# KiCad board pbx-sniffer-v2.kicad_pcb (continued)
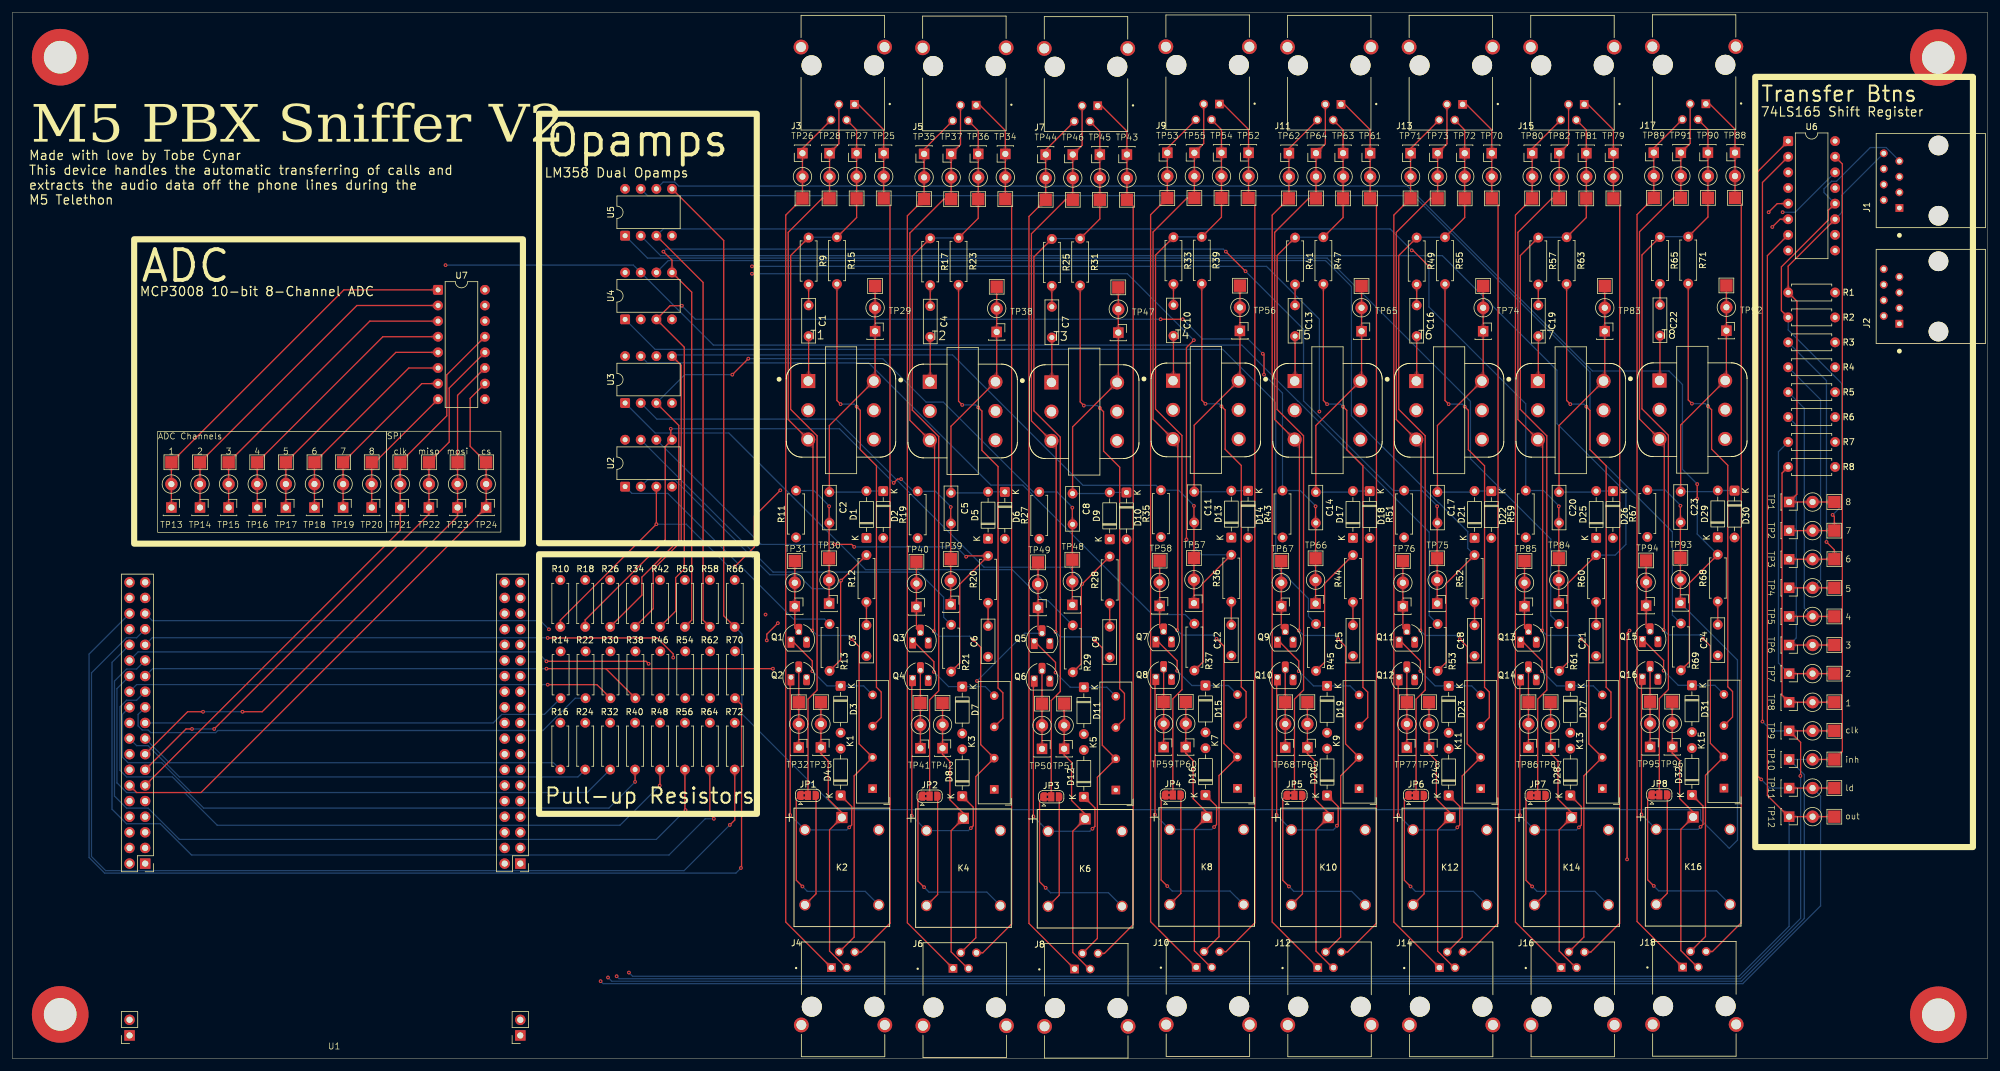
[diagram p0: board, top side]
## Routing (per net, layer and track width the routed paths; a pad name or vN(x,y) marks a point on that pad's centre or on a via; arc(x,y) is an arc through that point) (continued)
Net-(D10-K): length 45.4
  Top w0.2: TP47.1 TP47.1 179.73,110.13 T3.4 172.3,102.7 C8.1
  Bottom w0.2: C8.1 178.14,91.87 D9.2 181.03,92.05
Net-(D11-K): length 17.9
  Top w0.2: Q5.1 169.53,64.42 v1(169.53,62.78)
  Bottom w0.2: K5.7 177.85,60.39 D11.1 171.92,60.39 v1(169.53,62.78)
Net-(D12-K): length 39.3
  Top w0.2: Q6.1 165.93,61.64 v1(165.93,39.38) ; v1(175.53,37.38) 175.93,37.78 175.93,40.77 D12.1
  Bottom w0.2: v1(165.93,39.38) K6.2 175.13,36.98 v1(175.53,37.38)
Net-(D13-A): length 45.4
  Top w0.2: C11.1 192.06,102.98 T4.4 199.49,110.41 TP56.1 TP56.1
  Bottom w0.2: 200.79,92.33 D13.2 197.9,92.15 C11.1
Net-(D15-K): length 17.9
  Top w0.2: v1(189.29,63.06) 189.29,64.7 Q7.1
  Bottom w0.2: v1(189.29,63.06) 191.68,60.67 D15.1 197.62,60.67 K7.7
Net-(D16-K): length 39.3
  Top w0.2: Q8.1 185.69,61.93 v1(185.69,39.66) ; D16.1 195.69,41.05 195.69,38.06 v1(195.29,37.66)
  Bottom w0.2: v1(185.69,39.66) K8.2 194.89,37.26 v1(195.29,37.66)
Net-(D17-A): length 45.4
  Top w0.2: C14.1 211.82,102.93 T5.4 219.25,110.36 TP65.1 TP65.1
  Bottom w0.2: 220.56,92.28 D17.2 217.67,92.09 C14.1
Net-(D19-K): length 17.9
  Top w0.2: Q9.1 209.05,64.64 v1(209.05,63)
  Bottom w0.2: K9.7 217.38,60.61 D19.1 211.44,60.61 v1(209.05,63)
Net-(D20-K): length 39.4
  Top w0.2: v1(205.45,39.6) 205.45,61.87 Q10.1 ; v1(215.25,37.87) 215.33,37.87 215.45,38 215.45,40.99 D20.1
  Bottom w0.2: v1(205.45,39.6) K10.2 214.65,37.2 215.25,37.8 v1(215.25,37.87)
Net-(D21-A): length 45.4
  Top w0.2: C17.1 231.58,102.93 T6.4 239.01,110.36 TP74.1 TP74.1
  Bottom w0.2: 240.32,92.28 D21.2 237.43,92.09 C17.1
Net-(D23-K): length 17.9
  Top w0.2: Q11.1 228.81,64.64 v1(228.81,63)
  Bottom w0.2: K11.7 237.14,60.61 D23.1 231.2,60.61 v1(228.81,63)
Net-(D24-K): length 39.3
  Top w0.2: v1(234.81,37.6) 235.21,38 235.21,40.99 D24.1 ; Q12.1 225.21,61.87 v1(225.21,39.6)
  Bottom w0.2: v1(225.21,39.6) K12.2 234.41,37.2 v1(234.81,37.6)
Net-(D25-A): length 45.4
  Top w0.2: C20.1 251.35,102.93 T7.4 258.78,110.36 TP83.1 TP83.1
  Bottom w0.2: C20.1 257.19,92.09 D25.2 260.08,92.28
Net-(D27-K): length 17.9
  Top w0.2: v1(248.58,63) 248.58,64.64 Q13.1
  Bottom w0.2: v1(248.58,63) 250.97,60.61 D27.1 256.9,60.61 K13.7
Net-(D28-K): length 39.3
  Top w0.2: D28.1 254.98,40.99 254.98,38 v1(254.58,37.6) ; v1(244.98,39.6) 244.98,61.87 Q14.1
  Bottom w0.2: v1(244.98,39.6) K14.2 254.18,37.2 v1(254.58,37.6)
Net-(D29-A): length 45.4
  Top w0.2: C23.1 271.11,103.01 T8.4 278.54,110.44 TP92.1 TP92.1
  Bottom w0.2: C23.1 276.95,92.18 D29.2 279.85,92.36
Net-(D31-K): length 17.9
  Top w0.2: v1(268.34,63.09) 268.34,64.73 Q15.1
  Bottom w0.2: K15.7 276.67,60.7 D31.1 270.73,60.7 v1(268.34,63.09)
Net-(D32-K): length 39.3
  Top w0.2: D32.1 274.74,41.08 274.74,38.09 v1(274.34,37.69) ; Q16.1 264.74,61.96 v1(264.74,39.69)
  Bottom w0.2: v1(274.34,37.69) 273.94,37.29 K16.2 v1(264.74,39.69)
Net-(J3-Pad1): length 142.1
  Top w0.2: 142.62,138.83 142.62,22.02 137.94,17.34 J4.4 ; J3.1 137.47,155.13 141.6,151 TP25.1
Net-(J3-Pad4): length 143.9
  Top w0.2: J3.4 128.4,147.94 TP26.1 TP26.1 125.68,137.13 125.68,22.21 J4.1
Net-(J4-Pad3): length 46.6
  Top w0.2: J4.3 135.49,14.8 132.8,17.49 132.8,37.2 K2.1 134.8,39.99 134,40.79 134,40.8 132.6,42.2 132.6,48.4 131.4,49.6 TP33.1 TP33.1
Net-(J5-Pad1): length 142.1
  Top w0.2: J5.1 157.23,155.01 161.36,150.88 TP34.1 ; 162.39,138.71 162.39,21.9 157.7,17.22 J6.4
Net-(J5-Pad4): length 143.9
  Top w0.2: J6.1 145.44,22.09 145.44,137.01 TP35.1 TP35.1 148.16,147.82 J5.4
Net-(J6-Pad3): length 46.6
  Top w0.2: TP42.1 TP42.1 151.16,49.48 152.36,48.28 152.36,42.08 153.76,40.68 153.76,40.67 154.56,39.87 K4.1 152.56,37.08 152.56,17.37 155.25,14.68 J6.3
Net-(J7-Pad1): length 142.1
  Top w0.2: TP43.1 181.13,150.78 176.99,154.91 J7.1 ; 182.15,138.6 182.15,21.8 177.47,17.12 J8.4
Net-(J7-Pad4): length 143.9
  Top w0.2: J8.1 165.21,21.99 165.21,136.91 TP44.1 TP44.1 167.93,147.72 J7.4
Net-(J8-Pad3): length 46.6
  Top w0.2: J8.3 175.02,14.58 172.33,17.27 172.33,36.98 K6.1 174.33,39.76 173.53,40.56 173.53,40.58 172.13,41.98 172.13,48.18 170.93,49.38 TP51.1 TP51.1
Net-(J10-Pad1): length 143.9
  Top w0.2: J10.1 184.97,22.27 184.97,137.19 TP53.1 TP53.1 187.69,148 J9.4
Net-(J10-Pad3): length 46.6
  Top w0.2: J10.3 194.78,14.86 192.09,17.55 192.09,37.26 K8.1 194.09,40.05 193.29,40.85 193.29,40.86 191.89,42.26 191.89,48.46 190.69,49.66 TP60.1 TP60.1
Net-(J10-Pad4): length 142.1
  Top w0.2: 201.91,138.88 201.91,22.08 197.23,17.4 J10.4 ; J9.1 196.76,155.19 200.89,151.06 TP52.1
Net-(J11-Pad1): length 142.1
  Top w0.2: TP61.1 220.65,151 216.52,155.13 J11.1 ; 221.67,138.83 221.67,22.02 216.99,17.34 J12.4
Net-(J11-Pad4): length 143.9
  Top w0.2: J12.1 204.73,22.21 204.73,137.13 TP62.1 TP62.1 207.45,147.94 J11.4
Net-(J12-Pad3): length 46.6
  Top w0.2: J12.3 214.54,14.8 211.85,17.49 211.85,37.2 K10.1 213.85,39.99 213.05,40.79 213.05,40.8 211.65,42.2 211.65,48.4 210.45,49.6 TP69.1 TP69.1
Net-(J13-Pad1): length 142.1
  Top w0.2: 241.44,138.83 241.44,22.02 236.75,17.34 J14.4 ; J13.1 236.28,155.13 240.41,151 TP70.1
Net-(J13-Pad4): length 143.9
  Top w0.2: J14.1 224.5,22.21 224.5,137.13 TP71.1 TP71.1 227.21,147.94 J13.4
Net-(J14-Pad3): length 46.6
  Top w0.2: J14.3 234.31,14.8 231.61,17.49 231.61,37.2 K12.1 233.61,39.99 232.81,40.79 232.81,40.8 231.41,42.2 231.41,48.4 230.21,49.6 TP78.1 TP78.1
Net-(J15-Pad1): length 142.1
  Top w0.2: TP79.1 260.18,151 256.04,155.13 J15.1 ; 261.2,138.83 261.2,22.02 256.52,17.34 J16.4
Net-(J15-Pad4): length 143.9
  Top w0.2: J15.4 246.98,147.94 TP80.1 TP80.1 244.26,137.13 244.26,22.21 J16.1
Net-(J16-Pad3): length 46.6
  Top w0.2: TP87.1 TP87.1 249.98,49.6 251.18,48.4 251.18,42.2 252.58,40.8 252.58,40.79 253.38,39.99 K14.1 251.38,37.2 251.38,17.49 254.07,14.8 J16.3
Net-(J17-Pad1): length 142.1
  Top w0.2: 280.96,138.91 280.96,22.11 276.28,17.43 J18.4 ; TP88.1 279.94,151.09 275.81,155.22 J17.1
Net-(J17-Pad4): length 143.9
  Top w0.2: J17.4 266.74,148.03 TP89.1 TP89.1 264.02,137.22 264.02,22.3 J18.1
Net-(J18-Pad3): length 46.6
  Top w0.2: J18.3 273.83,14.89 271.14,17.58 271.14,37.29 K16.1 273.14,40.08 272.34,40.88 272.34,40.89 270.94,42.29 270.94,48.49 269.74,49.69 TP96.1 TP96.1
Net-(JP1-A): length 29.1
  Top w0.2: v1(128.4,28) 127.4,29 127.4,42.2 JP1.1
  Bottom w0.2: K2.4 138.6,27.2 129.2,27.2 v1(128.4,28)
Net-(JP1-B): length 18.5
  Top w0.2: K2.3 130.6,26.8 JP1.3
Net-(JP1-C): length 120
  Top w0.2: JP1.2 129.3,58.45 130.78,59.92 130.78,101.26 126.48,105.55 126.48,130.56 R9.1 129.46,133.54 ; R15.1 137.2,136.74 TP27.1 TP27.1 137.2,150.98 J3.2
  Bottom w0.2: R15.1 129.46,133.54 R9.1
Net-(JP2-A): length 29.1
  Top w0.2: v1(148.16,27.88) 147.16,28.88 147.16,42.08 JP2.1
  Bottom w0.2: v1(148.16,27.88) 148.96,27.08 158.36,27.08 K4.4
Net-(JP2-B): length 18.5
  Top w0.2: K4.3 150.36,26.68 JP2.3
Net-(JP2-C): length 120
  Top w0.2: JP2.2 149.06,58.33 150.54,59.8 150.54,101.13 146.24,105.43 146.24,130.44 R17.1 149.22,133.42 ; J5.2 156.96,150.86 TP36.1 TP36.1 156.96,136.62 R23.1
  Bottom w0.2: R17.1 149.22,133.42 R23.1
Net-(JP3-A): length 29.1
  Top w0.2: JP3.1 166.93,41.98 166.93,28.78 v1(167.93,27.78)
  Bottom w0.2: v1(167.93,27.78) 168.73,26.98 178.13,26.98 K6.4
Net-(JP3-B): length 18.5
  Top w0.2: JP3.3 170.13,26.58 K6.3
Net-(JP3-C): length 120
  Top w0.2: R31.1 176.73,136.51 TP45.1 TP45.1 176.73,150.75 J7.2 ; 168.99,133.31 R25.1 166.01,130.34 166.01,105.32 170.3,101.03 170.3,59.7 168.83,58.23 JP3.2
  Bottom w0.2: R31.1 168.99,133.31 R25.1
Net-(JP4-A): length 29.1
  Top w0.2: JP4.1 186.69,42.26 186.69,29.06 v1(187.69,28.06)
  Bottom w0.2: K8.4 197.89,27.26 188.49,27.26 v1(187.69,28.06)
Net-(JP4-B): length 18.5
  Top w0.2: K8.3 189.89,26.86 JP4.3
Net-(JP4-C): length 120
  Top w0.2: 188.75,133.59 R33.1 185.77,130.62 185.77,105.61 190.06,101.31 190.06,59.98 188.59,58.51 JP4.2 ; J9.2 196.49,151.03 TP54.1 TP54.1 196.49,136.79 R39.1
  Bottom w0.2: R39.1 188.75,133.59 R33.1
Net-(JP5-A): length 29.1
  Top w0.2: JP5.1 206.45,42.2 206.45,29 v1(207.45,28)
  Bottom w0.2: v1(207.45,28) 208.25,27.2 217.65,27.2 K10.4
Net-(JP5-B): length 18.5
  Top w0.2: K10.3 209.65,26.8 JP5.3
Net-(JP5-C): length 120
  Top w0.2: 208.51,133.54 R41.1 205.53,130.56 205.53,105.55 209.83,101.26 209.83,59.92 208.35,58.45 JP5.2 ; J11.2 216.25,150.98 TP63.1 TP63.1 216.25,136.74 R47.1
  Bottom w0.2: R41.1 208.51,133.54 R47.1
Net-(JP6-A): length 29.1
  Top w0.2: JP6.1 226.21,42.2 226.21,29 v1(227.21,28)
  Bottom w0.2: v1(227.21,28) 228.01,27.2 237.41,27.2 K12.4
Net-(JP6-B): length 18.5
  Top w0.2: JP6.3 229.41,26.8 K12.3
Net-(JP6-C): length 120
  Top w0.2: R55.1 236.01,136.74 TP72.1 TP72.1 236.01,150.98 J13.2 ; JP6.2 228.11,58.45 229.59,59.92 229.59,101.26 225.3,105.55 225.3,130.56 R49.1 228.27,133.54
  Bottom w0.2: R55.1 228.27,133.54 R49.1
Net-(JP7-A): length 29.1
  Top w0.2: JP7.1 245.98,42.2 245.98,29 v1(246.98,28)
  Bottom w0.2: v1(246.98,28) 247.78,27.2 257.18,27.2 K14.4
Net-(JP7-B): length 18.5
  Top w0.2: K14.3 249.18,26.8 JP7.3
Net-(JP7-C): length 120
  Top w0.2: JP7.2 247.88,58.45 249.35,59.92 249.35,101.26 245.06,105.55 245.06,130.56 R57.1 248.04,133.54 ; R63.1 255.78,136.74 TP81.1 TP81.1 255.78,150.98 J15.2
  Bottom w0.2: R57.1 248.04,133.54 R63.1
Net-(JP8-A): length 29.1
  Top w0.2: v1(266.74,28.09) 265.74,29.09 265.74,42.29 JP8.1
  Bottom w0.2: K16.4 276.94,27.29 267.54,27.29 v1(266.74,28.09)
Net-(JP8-B): length 18.5
  Top w0.2: JP8.3 268.94,26.89 K16.3
Net-(JP8-C): length 120
  Top w0.2: JP8.2 267.64,58.54 269.11,60.01 269.11,101.34 264.82,105.64 264.82,130.65 R65.1 267.8,133.62 ; J17.2 275.54,151.06 TP90.1 TP90.1 275.54,136.82 R71.1
  Bottom w0.2: R65.1 267.8,133.62 R71.1
Net-(K1-Pad5): length 76.7
  Top w0.2: K1.5 141.2,55.46 141.2,59.6 140.42,60.38 140.42,96.38 137.8,99 137.8,105.4 v1(137.2,106) ; R15.2 134,107 v1(134.6,106.4)
  Bottom w0.2: v1(134.6,106.4) 136.8,106.4 v1(137.2,106)
Net-(K3-Pad5): length 76.7
  Top w0.2: v1(156.96,105.88) 157.56,105.28 157.56,98.88 160.19,96.26 160.19,60.26 160.96,59.48 160.96,55.34 K3.5 ; v1(154.36,106.28) 153.76,106.88 R23.2
  Bottom w0.2: v1(154.36,106.28) 156.56,106.28 v1(156.96,105.88)
Net-(K5-Pad5): length 76.7
  Top w0.2: v1(174.13,106.18) 173.53,106.78 R31.2 ; K5.5 180.73,55.23 180.73,59.38 179.95,60.15 179.95,96.15 177.33,98.78 177.33,105.18 v1(176.73,105.78)
  Bottom w0.2: v1(174.13,106.18) 176.33,106.18 v1(176.73,105.78)
Net-(K7-Pad5): length 76.7
  Top w0.2: v1(196.49,106.06) 197.09,105.46 197.09,99.06 199.71,96.43 199.71,60.43 200.49,59.66 200.49,55.51 K7.5 ; R39.2 193.29,107.06 v1(193.89,106.46)
  Bottom w0.2: v1(193.89,106.46) 196.09,106.46 v1(196.49,106.06)
Net-(K9-Pad5): length 76.7
  Top w0.2: v1(213.65,106.4) 213.05,107 R47.2 ; v1(216.25,106) 216.85,105.4 216.85,99 219.47,96.38 219.47,60.38 220.25,59.6 220.25,55.46 K9.5
  Bottom w0.2: v1(216.25,106) 215.85,106.4 v1(213.65,106.4)
Net-(K11-Pad5): length 76.7
  Top w0.2: K11.5 240.01,55.46 240.01,59.6 239.24,60.38 239.24,96.38 236.61,99 236.61,105.4 v1(236.01,106) ; R55.2 232.81,107 v1(233.41,106.4)
  Bottom w0.2: v1(233.41,106.4) 235.61,106.4 v1(236.01,106)
Net-(K13-Pad5): length 76.7
  Top w0.2: K13.5 259.78,55.46 259.78,59.6 259,60.38 259,96.38 256.38,99 256.38,105.4 v1(255.78,106) ; v1(253.18,106.4) 252.58,107 R63.2
  Bottom w0.2: v1(253.18,106.4) 255.38,106.4 v1(255.78,106)
Net-(K15-Pad5): length 76.7
  Top w0.2: K15.5 279.54,55.54 279.54,59.69 278.76,60.46 278.76,96.46 276.14,99.09 276.14,105.49 v1(275.54,106.09) ; R71.2 272.34,107.09 v1(272.94,106.49)
  Bottom w0.2: v1(272.94,106.49) 275.14,106.49 v1(275.54,106.09)
Net-(T1-AA): length 7.3
  Top w0.2: T1.1 129.4,110.23 C1.2
Net-(T1-AB): length 152.9
  Top w0.2: v1(130,69.6) 130.11,69.71 130.11,99.88 T1.2 126.08,103.91 126.08,134.33 131.6,139.85 TP28.1 TP28.1 134.32,148.72 J3.3 ; v1(136.4,68.2) 137.6,67 137.6,51.18 K1.3 136.8,45.98 136.8,19.77 J4.2
  Bottom w0.2: v1(130,69.6) 130.8,68.8 135.8,68.8 v1(136.4,68.2)
Net-(T2-AA): length 7.3
  Top w0.2: T2.1 149.16,110.1 C4.2
Net-(T2-AB): length 152.9
  Top w0.2: J6.2 156.56,19.65 156.56,45.86 K3.3 157.36,51.06 157.36,66.88 v1(156.16,68.08) ; J5.3 154.08,148.6 TP37.1 TP37.1 151.36,139.73 145.84,134.21 145.84,103.79 T2.2 149.87,99.76 149.87,69.58 v1(149.76,69.48)
  Bottom w0.2: v1(149.76,69.48) 150.56,68.68 155.56,68.68 v1(156.16,68.08)
Net-(T3-AA): length 7.3
  Top w0.2: T3.1 168.93,110 C7.2
Net-(T3-AB): length 152.9
  Top w0.2: v1(169.53,69.38) 169.63,69.48 169.63,99.66 T3.2 165.61,103.68 165.61,134.11 171.13,139.63 TP46.1 TP46.1 173.84,148.49 J7.3 ; J8.2 176.33,19.55 176.33,45.75 K5.3 177.13,50.95 177.13,66.78 v1(175.93,67.98)
  Bottom w0.2: v1(175.93,67.98) 175.33,68.58 170.33,68.58 v1(169.53,69.38)
Net-(T4-AA): length 7.3
  Top w0.2: C10.2 188.69,110.28 T4.1
Net-(T4-AB): length 152.9
  Top w0.2: v1(195.69,68.26) 196.89,67.06 196.89,51.23 K7.3 196.09,46.03 196.09,19.83 J10.2 ; J9.3 193.6,148.77 TP55.1 TP55.1 190.89,139.91 185.37,134.39 185.37,103.96 T4.2 189.39,99.94 189.39,69.76 v1(189.29,69.66)
  Bottom w0.2: v1(195.69,68.26) 195.09,68.86 190.09,68.86 v1(189.29,69.66)
Net-(T5-AA): length 7.3
  Top w0.2: T5.1 208.45,110.23 C13.2
Net-(T5-AB): length 152.9
  Top w0.2: J11.3 213.37,148.72 TP64.1 TP64.1 210.65,139.85 205.13,134.33 205.13,103.91 T5.2 209.16,99.88 209.16,69.71 v1(209.05,69.6) ; J12.2 215.85,19.77 215.85,45.98 K9.3 216.65,51.18 216.65,67 v1(215.45,68.2)
  Bottom w0.2: v1(215.45,68.2) 214.85,68.8 209.85,68.8 v1(209.05,69.6)
Net-(T6-AA): length 7.3
  Top w0.2: T6.1 228.21,110.23 C16.2
Net-(T6-AB): length 152.9
  Top w0.2: v1(228.81,69.6) 228.92,69.71 228.92,99.88 T6.2 224.9,103.91 224.9,134.33 230.41,139.85 TP73.1 TP73.1 233.13,148.72 J13.3 ; v1(235.21,68.2) 236.41,67 236.41,51.18 K11.3 235.61,45.98 235.61,19.77 J14.2
  Bottom w0.2: v1(235.21,68.2) 234.61,68.8 229.61,68.8 v1(228.81,69.6)
Net-(T7-AA): length 7.3
  Top w0.2: C19.2 247.98,110.23 T7.1
Net-(T7-AB): length 152.9
  Top w0.2: J15.3 252.89,148.72 TP82.1 TP82.1 250.18,139.85 244.66,134.33 244.66,103.91 T7.2 248.68,99.88 248.68,69.71 v1(248.58,69.6) ; J16.2 255.38,19.77 255.38,45.98 K13.3 256.18,51.18 256.18,67 v1(254.98,68.2)
  Bottom w0.2: v1(254.98,68.2) 254.38,68.8 249.38,68.8 v1(248.58,69.6)
Net-(T8-AA): length 7.3
  Top w0.2: C22.2 267.74,110.31 T8.1
Net-(T8-AB): length 152.9
  Top w0.2: J18.2 275.14,19.86 275.14,46.06 K15.3 275.94,51.26 275.94,67.09 v1(274.74,68.29) ; v1(268.34,69.69) 268.44,69.79 268.44,99.97 T8.2 264.42,103.99 264.42,134.42 269.94,139.94 TP91.1 TP91.1 272.65,148.8 J17.3
  Bottom w0.2: v1(274.74,68.29) 274.14,68.89 269.14,68.89 v1(268.34,69.69)

## Copper pours and planes (outline as drawn; the poured copper is in the pictures)
+5V on In1.Cu: 66.59,9.01 119.26,9 120.4,48.88 280.64,50.85 282.27,116.3 311.4,116.4 311.4,156 264.4,155.92 264.49,76.2 66.61,72.1
+5VA on In1.Cu: 19,41.8 19.05,36.6 28.99,36.6 29.41,74.45 126.23,75.69 126.97,146.2 53.58,146.97 53.58,147.01 21.55,146.99
GND on In2.Cu: 14.3,170.83 283.8,171.8 280.2,62.2 95.2,61.63 94.8,114.21 28.4,110.54 25.6,67.28 14.1,66.34
GNDD on In2.Cu: -1.7,58.11 -1.9,-0.27 323.98,-0.05 323.58,172.69 286.91,171.72 282.32,59.22 80.51,59.66 80.86,111.2 72.4,110.54 71.5,59.4

Small or netless copper shapes (teardrops, artwork), in the pictures only: 1106 on Top, 315 on Bottom, 49 on In1.Cu, 50 on In2.Cu

## Text on the board
F.Silkscreen: ADC Channels | SPI | out | 8 | 7 | 6 | 5 | 4 | 3 | 2 | 1 | clk | inh | ld | miso | mosi | cs | Made with love by Tobe Cynar / This device handles the automatic transferring of calls and / extracts the audio data off the phone lines during the / M5 Telethon | MCP3008 10-bit 8-Channel ADC | LM358 Dual Opamps | 74LS165 Shift Register | Pull-up Resistors | Transfer Btns | ADC | Opamps | M5 PBX Sniffer V2
